# KiCad board antmicro-jetson-agx-csi-adapter.kicad_pcb (continued)
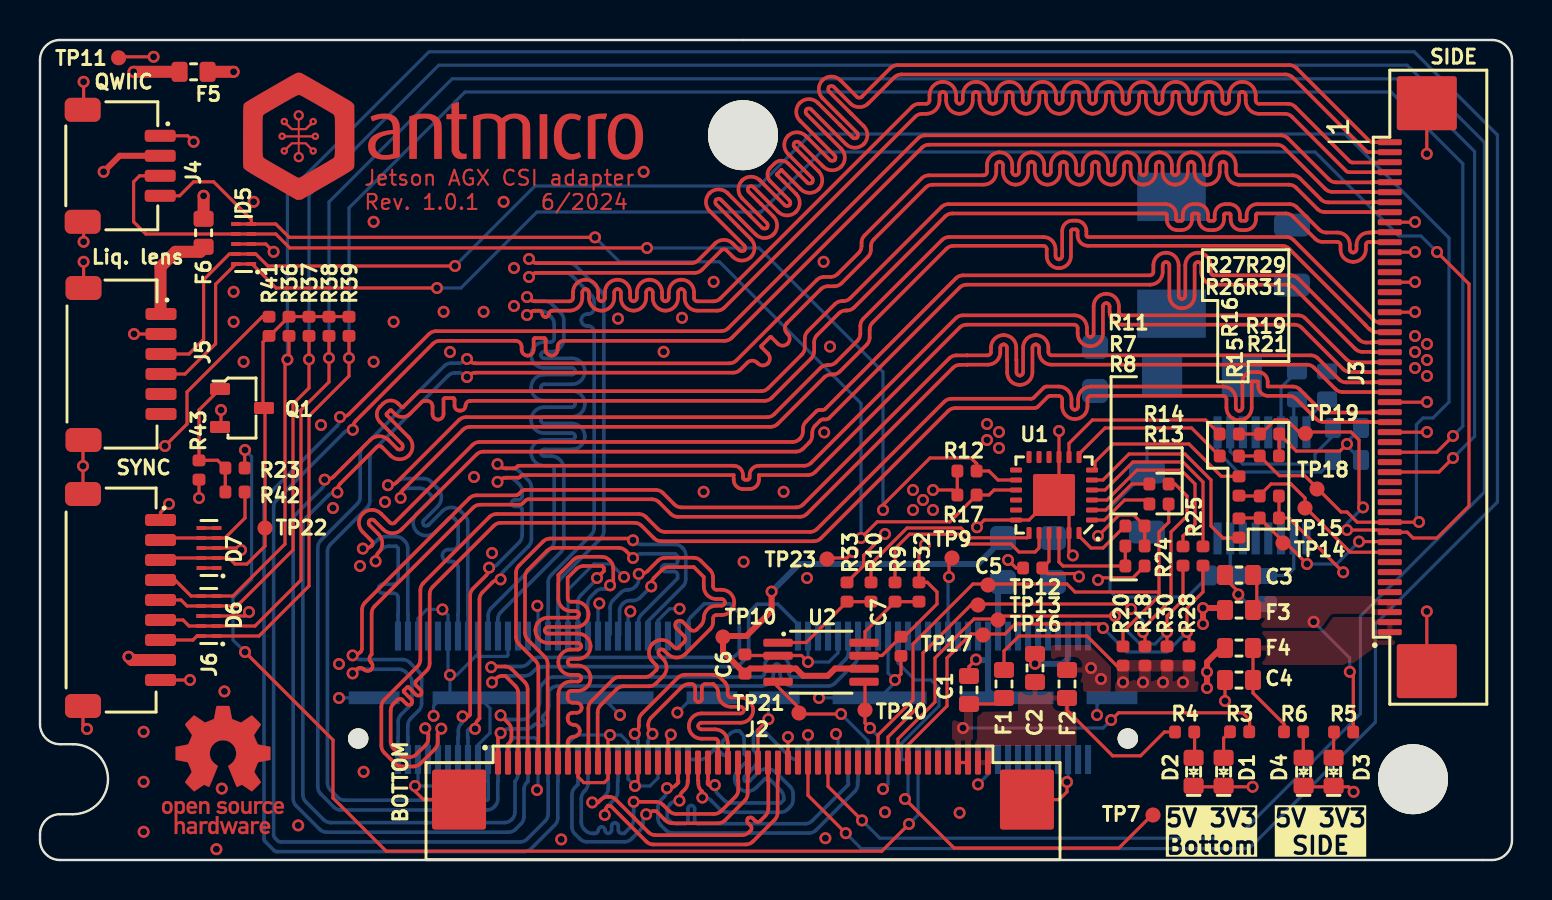
[diagram p0: board, top side]
## Routing (per net, layer and track width the routed paths; a pad name or vN(x,y) marks a point on that pad's centre or on a via; arc(x,y) is an arc through that point) (continued)
  Bottom w0.182: J1.32 25.4,12.28 25.41,12.29 25.41,13.89 arc(25.45,14.08) 25.55,14.24 27.56,16.25 arc(27.67,16.41) 27.71,16.61 27.71,26.4 arc(27.62,26.61) 27.41,26.7 27.36,26.7 arc(27.15,26.79) 27.06,27 arc(27.15,27.21) 27.36,27.3 27.41,27.3 arc(27.62,27.39) 27.71,27.6 27.71,27.89 arc(27.67,28.08) 27.56,28.25 26.6,29.21 arc(26.43,29.32) 26.24,29.36 24.87,29.36 arc(24.67,29.32) 24.51,29.21 v1(24.45,29.15)
/Interface/CSI4_CLK_N: length 16
  Top w0.182: 36.9,4.88 36.9,3.97 36.88,3.96 36.88,2.37 arc(36.84,2.18) 36.74,2.02 35.64,0.92 arc(35.48,0.82) 35.29,0.78 30.67,0.78 arc(30.48,0.82) 30.32,0.92 28.54,2.7 28.39,2.7 28.38,2.69 arc(28.27,2.53) 28.24,2.34 v1(28.24,2.25)
  Bottom w0.182: J1.45 28.9,3.94 28.88,3.92 28.88,3.4 arc(28.84,3.21) 28.74,3.05 28.38,2.69 arc(28.27,2.53) 28.24,2.34 v1(28.24,2.25)
/Interface/CSI4_CLK_P: length 16
  Top w0.182: v1(27.61,2.88) 27.91,2.88 28.05,3.02 arc(28.21,3.12) 28.4,3.16 28.44,3.16 arc(28.63,3.12) 28.79,3.02 30.42,1.39 arc(30.58,1.28) 30.77,1.24 35.1,1.24 arc(35.29,1.28) 35.45,1.39 35.54,1.48 arc(35.58,1.59) 35.54,1.71 35.4,1.85 arc(35.35,1.97) 35.4,2.08 arc(35.51,2.13) 35.63,2.08 35.77,1.94 arc(35.89,1.9) 36,1.94 36.27,2.21 arc(36.38,2.37) 36.42,2.56 36.42,3.96 36.4,3.97 36.4,4.88
  Bottom w0.182: v1(27.61,2.88) 27.7,2.88 arc(27.89,2.92) 28.05,3.02 28.27,3.24 arc(28.38,3.4) 28.42,3.59 28.42,3.92 28.4,3.94 J1.43
/Interface/CSI4_D0_N: length 16
  Top w0.182: v1(29.68,2.91) 30.79,2.91 arc(30.98,2.87) 31.15,2.76 31.46,2.45 arc(31.62,2.34) 31.81,2.3 33.71,2.3 arc(33.9,2.34) 34.06,2.45 34.77,3.16 arc(34.88,3.32) 34.92,3.51 34.92,3.96 34.9,3.97 34.9,4.88
  Bottom w0.182: v1(29.68,2.91) 29.68,2.42 29.68,2.42 29.68,2.15 29.68,2.14 29.68,2.01 arc(29.65,1.82) 29.54,1.66 29.21,1.33 29.08,1.33 arc(28.96,1.38) 28.91,1.5 28.91,1.7 arc(28.87,1.81) 28.75,1.86 arc(28.63,1.81) 28.58,1.7 28.58,1.5 arc(28.53,1.38) 28.42,1.33 arc(28.3,1.38) 28.25,1.5 arc(28.2,1.61) 28.08,1.66 arc(27.97,1.61) 27.92,1.5 arc(27.87,1.38) 27.75,1.33 27.63,1.33 arc(27.44,1.37) 27.27,1.48 27.21,1.54 arc(27.1,1.7) 27.06,1.89 27.06,3.08 arc(27.1,3.27) 27.21,3.43 27.25,3.47 arc(27.36,3.64) 27.4,3.83 J1.39
/Interface/CSI4_D0_P: length 16
  Top w0.182: v1(30.31,2.28) 30.32,2.3 arc(30.48,2.4) 30.67,2.44 30.81,2.44 31.27,1.98 arc(31.43,1.88) 31.62,1.84 33.9,1.84 arc(34.09,1.88) 34.25,1.98 35.24,2.97 arc(35.34,3.13) 35.38,3.32 35.38,3.96 35.4,3.97 35.4,4.88
  Bottom w0.182: v1(30.31,2.28) 30.3,2.27 arc(30.19,2.11) 30.15,1.92 30.15,1.84 arc(30.11,1.65) 30,1.48 29.58,1.06 arc(29.41,0.95) 29.22,0.91 27.35,0.91 arc(27.16,0.95) 26.99,1.06 26.74,1.31 arc(26.64,1.47) 26.6,1.66 26.6,3.27 arc(26.64,3.46) 26.74,3.62 26.9,3.78 26.9,3.94 26.9,3.94 J1.37
/Interface/CSI4_D1_N: length 16.1
  Top w0.182: 33.9,4.88 33.9,5.78 33.92,5.79 33.92,5.9 arc(33.87,6.02) 33.75,6.06 33.07,6.06 arc(32.63,6.25) 32.44,6.7 arc(32.63,7.14) 33.07,7.33 35.03,7.33 arc(35.14,7.38) 35.19,7.5 arc(35.14,7.61) 35.03,7.66 34.55,7.66 arc(34.1,7.85) 33.92,8.29 33.92,8.35 arc(33.88,8.54) 33.77,8.7 33.67,8.8 33.26,8.8 arc(33.14,8.75) 33.09,8.63 33.09,8.06 arc(33.04,7.94) 32.93,7.9 arc(32.81,7.94) 32.76,8.06 32.76,8.63 arc(32.71,8.75) 32.59,8.8 32.44,8.8 arc(32.25,8.76) 32.09,8.65 30.56,7.12 arc(30.45,6.96) 30.41,6.77 30.41,6.72 arc(30.45,6.53) 30.56,6.37 v1(30.62,6.31)
  Bottom w0.182: v1(30.62,6.31) 30.55,6.23 arc(30.44,6.07) 30.4,5.88 J1.51
/Interface/CSI4_D1_P: length 16
  Top w0.182: 34.4,4.88 34.4,5.78 34.38,5.79 34.38,5.9 arc(34.2,6.35) 33.75,6.53 33.07,6.53 arc(32.96,6.58) 32.91,6.7 arc(32.96,6.81) 33.07,6.86 35.03,6.86 arc(35.47,7.05) 35.66,7.5 arc(35.47,7.94) 35.03,8.13 34.55,8.13 arc(34.43,8.18) 34.38,8.29 34.38,8.54 arc(34.34,8.73) 34.24,8.89 34.01,9.12 arc(33.85,9.22) 33.66,9.26 32.25,9.26 arc(32.06,9.22) 31.9,9.12 30.09,7.31 arc(29.98,7.15) 29.95,6.96 29.95,6.72 arc(29.91,6.53) 29.8,6.37 v1(29.74,6.31)
  Bottom w0.182: v1(29.74,6.31) 29.75,6.29 arc(29.86,6.13) 29.9,5.94 J1.49
/Interface/CSI5_D0_N: length 16
  Top w0.182: 32.9,4.88 32.9,3.97 32.92,3.96 32.92,3.82 arc(32.96,3.63) 33.06,3.47 33.12,3.42 v1(33.12,3.12)
  Bottom w0.182: J1.61 37.83,5.02 arc(37.64,5.06) 37.48,5.17 36.33,6.32 arc(36.16,6.43) 35.97,6.47 35.87,6.47 35.82,6.42 arc(35.71,6.26) 35.67,6.07 35.67,5.5 arc(35.86,5.06) 35.67,4.61 35.25,4.18 arc(35.2,4.07) 35.25,3.95 arc(35.36,3.9) 35.48,3.95 35.91,4.37 arc(36.35,4.56) 36.8,4.37 37.51,3.67 arc(37.61,3.51) 37.65,3.32 37.65,3.01 arc(37.61,2.82) 37.51,2.66 37.38,2.53 arc(37.22,2.43) 37.03,2.39 34.35,2.39 arc(34.16,2.43) 34,2.53 33.56,2.97 arc(33.4,3.08) 33.21,3.12 v1(33.12,3.12)
/Interface/CSI5_D0_P: length 16
  Top w0.182: 33.4,4.88 33.4,3.97 33.38,3.96 33.38,3.81 33.45,3.75 v1(33.74,3.75)
  Bottom w0.182: J1.59 33.01,5.02 arc(33.2,5.06) 33.36,5.17 33.69,5.5 arc(33.8,5.54) 33.92,5.5 34.15,5.27 arc(34.26,5.22) 34.38,5.27 arc(34.43,5.39) 34.38,5.5 34.16,5.73 arc(34.11,5.85) 34.16,5.97 34.49,6.3 arc(34.66,6.41) 34.85,6.45 34.97,6.45 35.06,6.36 arc(35.17,6.2) 35.21,6.01 35.21,5.31 35.34,5.17 arc(35.39,5.06) 35.34,4.94 34.92,4.51 arc(34.73,4.07) 34.92,3.62 arc(35.36,3.43) 35.81,3.62 36.24,4.04 arc(36.35,4.09) 36.47,4.04 37.04,3.48 arc(37.15,3.31) 37.19,3.12 37.19,3 37.04,2.85 34.55,2.85 arc(34.35,2.89) 34.19,3 33.89,3.3 arc(33.78,3.47) 33.74,3.66 v1(33.74,3.75)
/Interface/CSI5_D1_N: length 16
  Top w0.182: v1(31.35,3.59) 31.44,3.59 arc(31.63,3.63) 31.79,3.74 31.92,3.87 31.92,3.96 31.9,3.97 31.9,4.88
  Bottom w0.182: J1.73 40.9,3.94 40.89,3.92 40.89,3.78 arc(40.85,3.59) 40.74,3.43 38.8,1.49 arc(38.64,1.39) 38.45,1.35 31.64,1.35 arc(31.45,1.39) 31.29,1.49 31.04,1.74 arc(30.94,1.9) 30.9,2.09 30.9,2.64 arc(30.94,2.83) 31.04,2.99 31.2,3.15 arc(31.31,3.31) 31.35,3.5 v1(31.35,3.59)
/Interface/CSI5_D1_P: length 16.1
  Top w0.182: 32.4,4.88 32.4,3.97 32.38,3.96 32.38,3.88 arc(32.34,3.69) 32.24,3.53 32.12,3.41 arc(32.01,3.25) 31.97,3.06 v1(31.97,2.97)
  Bottom w0.182: v1(31.97,2.97) 31.88,2.97 arc(31.69,2.93) 31.53,2.82 31.51,2.8 arc(31.4,2.64) 31.36,2.45 31.36,2.08 31.48,1.96 arc(31.65,1.85) 31.84,1.81 32.23,1.81 arc(32.35,1.86) 32.4,1.98 32.4,2.56 arc(32.45,2.68) 32.56,2.73 arc(32.68,2.68) 32.73,2.56 32.73,1.98 arc(32.78,1.86) 32.9,1.81 38.26,1.81 arc(38.45,1.85) 38.61,1.96 40.42,3.77 40.42,3.92 40.4,3.94 J1.71
/Interface/CSI6_CLK_N: length 23.8
  Top w0.182: 27.4,4.88 27.4,5.78 27.42,5.79 27.42,7.58 arc(27.46,7.77) 27.56,7.93 28.64,9.01 arc(28.8,9.11) 28.99,9.15 30.26,9.15 arc(30.45,9.19) 30.61,9.3 30.82,9.5 arc(30.86,9.62) 30.82,9.74 30.63,9.92 arc(30.45,10.37) 30.63,10.82 arc(31.08,11) 31.52,10.82 31.71,10.63 arc(31.83,10.58) 31.94,10.63 32.2,10.89 arc(32.26,11.05) 32.2,11.21 31.82,11.58 arc(31.76,11.74) 31.82,11.9 arc(31.98,11.97) 32.14,11.9 32.52,11.52 arc(32.68,11.46) 32.84,11.52 33.04,11.73 arc(33.15,11.89) 33.19,12.08 arc(33.37,12.53) 33.82,12.72 34.08,12.72 arc(34.2,12.76) 34.25,12.88 arc(34.2,13) 34.08,13.05 33.82,13.05 arc(33.37,13.23) 33.19,13.68 33.19,14.15 32.69,14.65 31.44,14.65 arc(31.25,14.61) 31.09,14.5 30.71,14.12 arc(30.6,13.96) 30.56,13.77 v1(30.56,13.68)
  Bottom w0.182: v1(30.56,13.68) 30,13.12 arc(29.84,13.01) 29.65,12.97 29.5,12.97 arc(29.31,12.93) 29.15,12.83 29.12,12.8 arc(29.02,12.64) 28.98,12.45 28.98,11.27 J1.46
/Interface/CSI6_CLK_P: length 23.8
  Top w0.182: 27.9,4.88 27.9,5.78 27.88,5.79 27.88,7.39 arc(27.92,7.58) 28.03,7.74 28.83,8.54 arc(28.99,8.65) 29.18,8.69 30.45,8.69 arc(30.64,8.73) 30.8,8.83 31.14,9.18 arc(31.33,9.62) 31.14,10.07 30.96,10.25 arc(30.91,10.37) 30.96,10.49 arc(31.08,10.54) 31.2,10.49 31.38,10.3 arc(31.83,10.12) 32.27,10.3 33.51,11.54 arc(33.61,11.7) 33.65,11.89 33.65,12.08 arc(33.7,12.2) 33.82,12.25 34.08,12.25 arc(34.53,12.43) 34.71,12.88 arc(34.53,13.33) 34.08,13.51 33.82,13.51 arc(33.7,13.56) 33.65,13.68 33.65,14.14 arc(33.61,14.33) 33.51,14.49 33.03,14.97 arc(32.87,15.07) 32.68,15.11 31.25,15.11 arc(31.06,15.07) 30.9,14.97 30.38,14.45 arc(30.22,14.34) 30.03,14.3 v1(29.94,14.3)
  Bottom w0.182: v1(29.94,14.3) 29.94,14.05 arc(29.9,13.86) 29.79,13.69 29.75,13.66 arc(29.59,13.55) 29.4,13.51 29.39,13.51 arc(29.2,13.47) 29.03,13.36 28.65,12.98 arc(28.55,12.82) 28.51,12.63 28.51,12.61 28.51,12.61 28.51,11.3 J1.44
/Interface/CSI6_D0_N: length 23.8
  Top w0.182: 25.9,4.88 25.9,5.78 25.92,5.79 25.92,8.29 arc(26.1,8.74) 26.55,8.92 26.9,8.92 arc(27.01,8.97) 27.06,9.09 arc(27.01,9.21) 26.9,9.26 26.55,9.26 arc(26.1,9.44) 25.92,9.89 arc(26.1,10.34) 26.55,10.52 26.9,10.52 arc(27.01,10.57) 27.06,10.69 arc(27.01,10.8) 26.9,10.85 25.4,10.85 arc(24.96,11.04) 24.77,11.48 arc(24.96,11.93) 25.4,12.12 26.8,12.12 arc(26.91,12.17) 26.96,12.28 arc(26.91,12.4) 26.8,12.45 26.55,12.45 arc(26.1,12.63) 25.92,13.08 25.92,14.25 26.68,15.01 arc(26.84,15.12) 27.03,15.16 28.1,15.16 arc(28.29,15.12) 28.45,15.01 28.52,14.95 arc(28.62,14.78) 28.66,14.59 28.66,13.86 28.53,13.73 v1(28.5,13.73)
  Bottom w0.182: v1(28.5,13.73) 28.33,13.56 28.14,13.56 arc(27.94,13.52) 27.78,13.41 27.53,13.16 arc(27.42,13) 27.38,12.8 27.38,11.21
/Interface/CSI6_D0_P: length 23.8
  Top w0.182: 26.4,4.88 26.4,5.78 26.38,5.79 26.38,5.86 arc(26.47,6.08) 26.68,6.16 26.69,6.16 arc(26.9,6.25) 26.99,6.46 arc(26.9,6.68) 26.69,6.76 26.68,6.76 arc(26.47,6.85) 26.38,7.06 26.38,7.11 arc(26.46,7.29) 26.63,7.36 26.83,7.36 arc(27.01,7.44) 27.08,7.61 arc(27.01,7.79) 26.83,7.86 26.63,7.86 arc(26.46,7.94) 26.38,8.11 26.38,8.29 arc(26.43,8.41) 26.55,8.46 26.9,8.46 arc(27.34,8.64) 27.53,9.09 arc(27.34,9.54) 26.9,9.72 26.55,9.72 arc(26.43,9.77) 26.38,9.89 arc(26.43,10.01) 26.55,10.06 26.9,10.06 arc(27.34,10.24) 27.53,10.69 arc(27.34,11.13) 26.9,11.32 25.4,11.32 arc(25.29,11.37) 25.24,11.48 arc(25.29,11.6) 25.4,11.65 26.8,11.65 arc(27.24,11.84) 27.43,12.28 arc(27.24,12.73) 26.8,12.92 26.55,12.92 arc(26.43,12.96) 26.38,13.08 26.38,14.11 26.82,14.55 arc(26.99,14.66) 27.18,14.7 28.1,14.7 28.2,14.61 28.2,14.45 v1(27.85,14.1)
  Bottom w0.182: v1(27.85,14.1) 27.85,14.05 27.04,13.24 arc(26.93,13.07) 26.89,12.88 26.89,12.39 26.9,12.38 J1.38
/Interface/CSI6_D1_N: length 23.8
  Top w0.182: v1(29.65,15.99) 29.56,16.07 25.51,16.07 arc(25.32,16.03) 25.16,15.93 23.95,14.72 arc(23.84,14.55) 23.8,14.36 23.8,11.15 arc(23.84,10.96) 23.95,10.79 24.77,9.97 arc(24.88,9.81) 24.92,9.62 24.92,5.79 24.9,5.78 24.9,4.88
  Bottom w0.182: 30.38,11.79 30.38,11.92 32.14,13.68 arc(32.25,13.85) 32.29,14.04 32.29,15.23 arc(32.25,15.42) 32.14,15.59 32.1,15.63 arc(31.94,15.74) 31.74,15.78 30.07,15.78 arc(29.87,15.82) 29.71,15.92 v1(29.65,15.99)
/Interface/CSI6_D1_P: length 23.8
  Top w0.182: 25.4,4.88 25.4,5.78 25.38,5.79 25.38,9.81 arc(25.34,10) 25.24,10.16 24.4,11 arc(24.29,11.17) 24.25,11.36 24.25,14.15 arc(24.29,14.34) 24.4,14.51 25.35,15.46 arc(25.51,15.57) 25.7,15.61 28.94,15.61 arc(29.13,15.57) 29.29,15.46 v1(29.65,15.1)
  Bottom w0.182: 29.92,11.79 29.92,11.91 arc(29.95,12.1) 30.06,12.26 31.88,14.08 31.88,14.26 arc(31.83,14.38) 31.71,14.43 31.25,14.43 arc(31.13,14.47) 31.08,14.59 arc(31.13,14.71) 31.25,14.76 31.71,14.76 arc(31.83,14.81) 31.88,14.92 31.88,15.19 31.76,15.31 30.07,15.31 arc(29.87,15.27) 29.71,15.17 v1(29.65,15.1)
/Interface/CSI7_D0_N: length 23.9
  Top w0.182: 23.9,4.88 23.9,5.67 23.9,5.67 23.9,5.78 23.92,5.79 23.92,8.35 arc(23.88,8.54) 23.77,8.7 23.26,9.21 23.14,9.21 arc(22.94,9.17) 22.78,9.06 v1(22.6,8.88)
  Bottom w0.182: v1(22.6,8.88) 22.78,9.06 arc(22.94,9.17) 23.14,9.21 24.24,9.21 arc(24.43,9.25) 24.59,9.36 24.76,9.52 arc(24.92,9.63) 25.11,9.66 34.68,9.66 arc(34.87,9.7) 35.03,9.81 35.29,10.07 arc(35.39,10.23) 35.43,10.42 35.43,12.36 35.86,12.79 36.89,12.79 37.9,11.78
/Interface/CSI7_D0_P: length 23.9
  Top w0.182: 24.4,4.88 24.4,5.78 24.38,5.79 24.38,8.54 arc(24.34,8.73) 24.24,8.89 23.6,9.53 arc(23.44,9.64) 23.25,9.67 22.59,9.67 v1(22.56,9.64)
  Bottom w0.182: v1(22.56,9.64) 22.59,9.67 24.05,9.67 arc(24.24,9.71) 24.4,9.82 24.56,9.98 arc(24.73,10.09) 24.92,10.13 34.49,10.13 arc(34.68,10.17) 34.84,10.28 34.97,10.4 34.97,11.6 34.96,11.61 34.96,12.35 34.5,12.81 33.21,12.81 32.55,12.15 arc(32.44,11.98) 32.4,11.79
/Interface/CSI7_D1_N: length 23.9
  Top w0.182: v1(23.03,6.35) 22.9,6.22 22.9,4.88
  Bottom w0.182: 40.89,10.61 40.89,10.18 arc(40.85,9.99) 40.74,9.83 39.76,8.85 arc(39.59,8.74) 39.4,8.7 37.62,8.7 arc(37.18,8.88) 37,9.32 37,9.64 arc(36.96,9.75) 36.84,9.8 arc(36.72,9.75) 36.67,9.64 36.67,9.32 arc(36.49,8.88) 36.06,8.7 25.89,8.7 arc(25.7,8.66) 25.53,8.55 25.44,8.46 25.44,7.7 arc(25.4,7.51) 25.3,7.35 25.17,7.22 arc(25.12,7.11) 25.17,6.99 arc(25.22,6.88) 25.17,6.77 25.16,6.76 arc(25.05,6.71) 24.93,6.76 arc(24.82,6.81) 24.71,6.76 24.65,6.71 arc(24.49,6.6) 24.3,6.56 23.45,6.56 arc(23.25,6.52) 23.09,6.41 v1(23.03,6.35)
/Interface/CSI7_D1_P: length 23.8
  Top w0.182: 23.4,4.88 23.4,5.78 23.42,5.8 arc(23.53,5.97) 23.57,6.16 23.57,6.49 arc(23.53,6.68) 23.42,6.84 v1(23.03,7.23)
  Bottom w0.182: 40.42,10.61 40.42,10.38 arc(40.38,10.18) 40.27,10.02 39.55,9.3 arc(39.38,9.19) 39.19,9.15 37.62,9.15 arc(37.5,9.2) 37.45,9.32 37.45,9.64 arc(37.27,10.07) 36.84,10.25 arc(36.4,10.07) 36.22,9.64 36.22,9.32 arc(36.17,9.2) 36.06,9.15 25.68,9.15 arc(25.49,9.11) 25.32,9 25.12,8.8 arc(25.02,8.64) 24.98,8.45 24.98,7.89 arc(24.94,7.7) 24.83,7.54 24.46,7.17 arc(24.3,7.06) 24.11,7.02 23.45,7.02 arc(23.25,7.06) 23.09,7.17 v1(23.03,7.23)
CAM0_SCL: length 28.7
  Top w0.16: 55.25,10.69 55.25,11.3 v1(55.15,11.4) 55.15,11.6 56.55,13 56.55,16.4 57.35,17.2 57.35,18.2 56.75,18.8 56.44,18.8 ; v1(54.55,12.55) 54.3,12.8 46.6,12.8 44.15,10.35 44.15,7.9 42.4,6.15 42.4,4.88
  Bottom w0.16: v1(55.15,11.4) 55.15,11.95 v1(54.55,12.55)
CAM0_SDA: length 28.4
  Top w0.16: 41.9,4.88 41.9,6.25 43.65,8 43.65,10.8 46.65,13.8 51.35,13.8 51.75,13.4 55.95,13.4 ; 54.15,10.69 54.15,11.4 55.95,13.2 55.95,16.4 56.44,16.89 56.44,17.8
CAM1_SCL: length 24.1
  Top w0.16: 58.15,14.72 58.15,13.4 57.35,12.6 v1(57.35,11.4) 57.45,11.3 57.45,10.69 ; v1(53.15,11.6) 52.95,11.8 48.75,11.8 48.25,11.3 46.55,11.3 45.35,10.1 45.35,7.7 43.4,5.75 43.4,4.88
  Bottom w0.16: v1(53.15,11.6) 54.35,10.4 56.35,10.4 v1(57.35,11.4)
CAM1_SDA: length 23.5
  Top w0.16: 42.9,4.88 42.9,6.05 44.75,7.9 44.75,10.1 46.7,12.05 47.9,12.05 ; v1(53.75,12.2) 48.05,12.2 ; 57.15,14.72 57.15,13 56.35,12.2 v1(56.35,11.4) 56.35,10.69
  Bottom w0.16: v1(53.75,12.2) 53.75,12.05 55,10.8 55.75,10.8 v1(56.35,11.4)
CAM2_SCL: length 9.3
  Top w0.16: 63.25,17.65 63.25,18.1 62.55,18.8 61.55,18.8 60.98,18.23 ; 67.49,15.39 65.51,15.39 63.33,17.58 ; 59.95,18.2 60.98,18.2
CAM2_SDA: length 8.8
  Top w0.16: 62.15,15.93 60.98,17.1 59.95,17.1 ; v1(65.95,15.92) 67.46,15.92 ; v1(63.35,14.8) 62.25,15.9
  Bottom w0.16: v1(65.95,15.92) 64.83,14.8 v1(63.35,14.8)
CAM3_SCL: length 105
  Top w0.16: 6.03,24.3 7.25,24.3 8.45,25.5 8.47,25.5 8.78,25.81 8.78,28.79 D5.10 D5.1 ; 61.05,21.3 61.75,22 62.35,22 62.95,21.4 65.55,21.4 65.95,21 65.95,17.83 v1(66.15,17.63) ; v1(19.85,28.6) 11.81,28.6 10.61,29.8 ; v1(65.35,16.5) 67.38,16.5 67.49,16.39 68.36,16.39 68.65,16.1 69.85,16.1 71.45,17.7 71.45,28.8 v1(69.85,30.4) ; 59.95,21.3 61,21.3
  Bottom w0.16: v1(65.35,16.5) 65.35,16.83 v1(66.15,17.63) ; v1(69.85,30.4) 69.05,31.2 67.95,31.2 63.75,35.4 39.05,35.4 36.05,32.4 24.85,32.4 21.05,28.6 v1(19.85,28.6)
CAM3_SDA: length 99
  Top w0.16: 6.03,25.3 7.45,25.3 8.18,26.03 8.18,29.01 9.47,30.3 D5.2 10.79,30.3 11.39,29.7 v1(20.75,29.7) ; v1(68.95,16.9) 68.94,16.89 65.86,16.89 65.35,17.4 65.05,17.4 63.24,19.22 61.97,19.22 60.98,20.2 59.95,20.2
  Bottom w0.16: v1(68.95,16.9) 68.82,17.03 68.82,21.77 69.15,22.1 69.65,22.1 70.45,22.9 70.45,31.1 65.25,36.3 38.55,36.3 35.95,33.7 24.75,33.7 v1(20.75,29.7)
GPIO10: length 54.8
  Top w0.16: v1(43.45,1.8) 42.09,0.44 17.31,0.44 14.65,3.1 14.65,6 v1(10.25,10.4) ; v1(10.25,20.5) 10.23,20.48 10.23,19.6
  Bottom w0.16: v1(10.25,20.5) 10.58,20.17 10.58,14.03 9.65,13.1 9.65,11 v1(10.25,10.4) ; J1.85 43.9,2.25 v1(43.45,1.8)
I2C_GP3_CLK: length 6.8
  Top w0.16: v1(40.05,7.3) 38.25,7.3 36.85,8.7 36.85,8.92
  Bottom w0.16: J1.75 41.4,5.95 v1(40.05,7.3)
I2C_GP3_DAT: length 4.2
  Top w0.16: 41.25,8.92 41.25,6.85 v1(41.5,6.6)
  Bottom w0.16: v1(41.5,6.6) 41.9,6.2 J1.77
VSYNC_CAM0_3V3: length 157.2
  Top w0.16: J6.4 6.75,14 7.55,13.2 D6.5 9.65,13.2 12.25,15.8 12.25,24.9 v1(12.37,25.02) 12.45,25.1 12.45,26.2 ; 38.4,4.88 38.4,3.23 v1(40.29,1.34)
  Bottom w0.16: v1(12.37,25.02) 12.37,33.33 19.45,40.41 68.71,40.41 72.87,36.25 72.87,17.9 66.77,11.8 66.77,6.89 60.45,0.57 41.06,0.57 v1(40.29,1.34)
VSYNC_CAM1_3V3: length 152.8
  Top w0.16: J6.5 7.05,13 7.35,12.7 D6.7 D6.4 9.85,12.7 12.65,15.5 12.65,22.8 13.45,23.6 13.45,26.2 ; 39.4,4.88 39.4,3.68 v1(41.1,1.98)
  Bottom w0.16: v1(13.45,25.03) 13.45,33.25 19.94,39.74 68.36,39.74 72.22,35.88 72.22,18.39 66.02,12.19 66.02,7.31 59.8,1.09 41.99,1.09 v1(41.1,1.98)
VSYNC_CAM2_3V3: length 109.2
  Top w0.16: J6.6 7.15,12 7.45,11.7 D6.9 ; 67.5,19.4 69.95,19.4 v1(70.65,20.1) ; 14.45,26.2 v1(14.45,25.1) 14.45,23.9 13.05,22.5 13.05,14 10.75,11.7 D6.2 ; 8.62,11.7 7.85,11.7
  Bottom w0.16: v1(70.65,20.1) 71.73,21.18 71.73,35.42 68.09,39.06 20.61,39.06 14.45,32.9 v1(14.45,25.1)
VSYNC_CAM3_3V3: length 106.1
  Top w0.16: J6.7 7.65,11 7.85,11.2 8.62,11.2 ; 67.49,20.39 69.84,20.39 v1(70.65,21.2) ; D6.1 10.95,11.2 13.45,13.7 13.45,22.2 15.45,24.2 v1(15.45,25.1) 15.45,26.2
  Bottom w0.16: v1(70.65,21.2) 71.14,21.69 71.14,34.81 67.55,38.4 21.25,38.4 15.45,32.6 v1(15.45,25.1)
Net-(D1-A): length 1.4
  Top w0.16: 59.18,5.16 59.18,6.09 59.5,6.41
Net-(D2-A): length 1.2
  Top w0.16: 57.73,5.16 57.73,6.39
Net-(D3-A): length 1.2
  Top w0.16: 64.68,5.16 64.68,6.39
Net-(D4-A): length 1.2
  Top w0.16: 63.16,6.41 63.16,5.17
Net-(U1-A0): length 5.7
  Top w0.16: 50.95,16.2 50.95,14.9 51.15,14.7 54.27,14.7 54.27,15.7
Net-(U1-SC0): length 3.3
  Top w0.16: 52.75,17.5 53.29,17.5 54.59,18.8 55.47,18.8
Net-(U1-SC1): length 9.6
  Top w0.16: 58.15,15.69 58.15,18.9 57.15,19.9 54.65,19.9 53.25,18.5 52.75,18.5
Net-(U1-SC2): length 8.6
  Top w0.16: 59.95,19.19 59.06,19.19 57.45,20.8 53.65,20.8 52.75,19.9 52.75,19.5
Net-(U1-SC3): length 8.8
  Top w0.16: 51.45,20.3 51.45,20.83 52.62,22 58.28,22 58.98,21.3
Net-(U1-SCL): length 9.8
  Top w0.16: 49.45,16.2 49.36,16.11 46.54,16.11 46.05,16.6 43.35,16.6 41.55,14.8 41.55,13.89
Net-(U1-SD0): length 2.9
  Top w0.16: 55.27,18 54.23,18 53.23,17 52.75,17
Net-(U1-SD1): length 9.3
  Top w0.16: 52.75,18 53.35,18 54.84,19.49 57.06,19.49 57.75,18.8 57.75,16.8 57.15,16.2 57.15,15.69
Net-(U1-SD2): length 10.8
  Top w0.16: 52.75,19 53.15,19 54.45,20.3 57.25,20.3 58.55,19 58.55,16.7 59.15,16.1 59.94,16.1
Net-(U1-SD3): length 8.1
  Top w0.16: 51.95,20.3 53.25,21.6 57.58,21.6 58.98,20.2
Net-(U1-SDA): length 10.2
  Top w0.16: 42.75,13.89 42.75,15.56 43.48,16.29 45.92,16.29 46.41,15.8 48.55,15.8 48.95,15.4 49.75,15.4 49.95,15.6 49.95,16.2
Net-(U1-~{RESET}): length 3
  Top w0.16: 54.25,16.7 53.15,15.6 52.55,15.6 51.95,16.2
Net-(U3-ONA): length 7.6
  Bottom w0.16: R35.1 64.65,21.2 63.75,20.3 63.75,19.8 60.14,19.8 59.51,20.42 59.51,21.38
Net-(U3-REF): length 2.1
  Bottom w0.16: C10.1 63.32,22 U3.8
Net-(U3-SS/LIM): length 1.5
  Bottom w0.16: 62.69,21.38 62.69,22.87
Net-(U3-~{ONB}): length 7.4
  Bottom w0.16: R34.1 64.05,19.4 59.9,19.4 58.88,20.42 58.88,21.38
unconnected-(D7-CH1-Pad1): length 0.8
  Top w0.16: D7.10 D7.1
unconnected-(D7-CH4-Pad5): length 0.8
  Top w0.16: D7.6 D7.5

## Copper pours and planes (outline as drawn; the poured copper is in the pictures)
+3V3 on Top: 57.95,8.4 53.75,8.4 53.75,10 57.95,10
+3V3 on Bottom: 58.4,34.48 64.1,34.48 64.1,31.73 54.6,31.73 54.6,31.75 47.4,31.75 45.15,29.5 45.15,19 51.4,19 51.4,15.41 49.93,15.41 49.93,17 43.15,17 43.15,30.75 46.9,34.5 58.4,34.5
+3V3 on In2.Cu: 75.15,-1.5 48.65,-1.5 48.65,15.5 41.85,15.5 41.85,34.5 34.15,34.5 32.65,36.5 32.65,38 8.15,38 8.15,34 6.65,32.5 6.65,18 9.15,18 9.15,7.5 -1.35,7.5 -1.35,42 75.15,42
+5V on Top: 53.55,8.4 52.15,8.4 52.15,8.85 50.55,8.85 50.55,10.75 53.55,10.75
+5V on Bottom: 53.75,24.8 51.15,24.8 48.55,22.2 48.55,20.2 46.75,20.2 46.75,26.4 53.75,26.4
+5V on In2.Cu: 32.65,36.5 34.15,34.5 41.85,34.5 41.85,15.5 46.65,15.5 46.65,22.5 48.65,22.5 48.65,13.5 52.15,10 53.65,10 53.65,8 57.65,8 57.65,10 59.65,10 59.65,5.5 58.15,4 52.65,4 46.65,10 46.65,13.8 40.15,13.8 40.15,32.5 33.65,32.5 31.15,35 31.15,36.5 9.65,36.5 9.65,33.5 8.15,32 8.15,31.7 6.65,31.7 6.65,32.55 8.15,34 8.15,38 32.65,38
/Auxiliary/3V3_AUX_F on In2.Cu: 5.18,36.91 3.68,35.41 3.68,16.66 5.43,14.91 5.43,7.41 -0.82,7.41 -0.82,41.16 5.18,41.16
/Auxiliary/5V_C on Bottom: 57.55,19.65 57.55,24.2 51.85,24.2 51.85,19.65
/Interface/3V3_CONN on Bottom: 52.65,13 52.65,10.5 49.15,10.5 49.15,14.5 51.15,14.5
/Interface/3V3_FFC_B on Top: 48.8,7.4 46.65,7.4 46.65,4.1 45.6,4.1 45.6,8.5 48.8,8.5
/Interface/3V3_FFC_S on Top: 68.25,12.15 64.65,12.15 64.15,11.55 60.21,11.55 60.21,13.2 68.25,13.2
/Interface/5V_FFC_B on Top: 51.82,8.5 51.83,5.7 47.75,5.7 47.75,4.1 46.65,4.1 46.65,7.4 48.9,7.45 48.9,9.45 50.55,9.45 50.55,8.5
/Interface/5V_FFC_S on Top: 68.25,10.75 66.9,10.75 65.55,9.75 59.9,9.75 59.9,11.45 64.15,11.45 64.65,12.15 68.25,12.15
GND on Bottom: 68.55,26.6 69.75,26.6 69.75,23.8 68.55,23.8 68.55,18.2 65.95,18.2 64.75,17 63.85,17 63.85,14.98 59.85,14.98 59.85,17 56.44,17 56.44,15.31 54.18,15.31 54.18,19.2 66.75,19.2 66.75,23.8 62.15,23.8 62.15,25 61.15,25.8 61.15,28.4 65.15,28.4
GND on In1.Cu: 80.15,-9 -9.85,-9 -9.85,51 80.15,51
GND on In2.Cu: 48.65,-4 -4.85,-4 -4.85,47 48.65,47
Net-(D8-A) on Bottom: 58.6,25.9 58.6,22.48 59.85,22.48 59.85,20.48 61.6,20.48 61.6,25.4 60.85,25.4 60.85,28.4 54.85,28.4 54.85,25.9

## Text on the board
User.Comments: Maximum bottom component height with / QTH-060-03-H-A-D connector: 7.2mm / Maximum top component height: / 3mm but documentation is / very vague and doesn't make / sense; if taller components / used reconsider this limit | CONNECTORS
Top: Jetson AGX CSI adapter / Rev. 1.0.1	6/2024
F.Mask: Jetson AGX CSI adapter / Rev. 1.0.1	6/2024
F.Silkscreen: QWIIC | Liq. lens | SYNC | SIDE | BOTTOM | 5V 3V3 / Bottom | 5V 3V3 / SIDE | 1
